# Altium PCB Onju-Home.PcbDoc (part 2 of 2)
Units mil, origin at the board's own origin, x right, y up, seen from the top; angles counter-clockwise.
Board outline 2933.07 x 2778.08 mil, 4 copper layers (Top Layer, Ground Plane, Power Plane, Bottom Layer), stack 23.712 mil thick; 83 components, 57 nets, 303 pads, 299 vias.
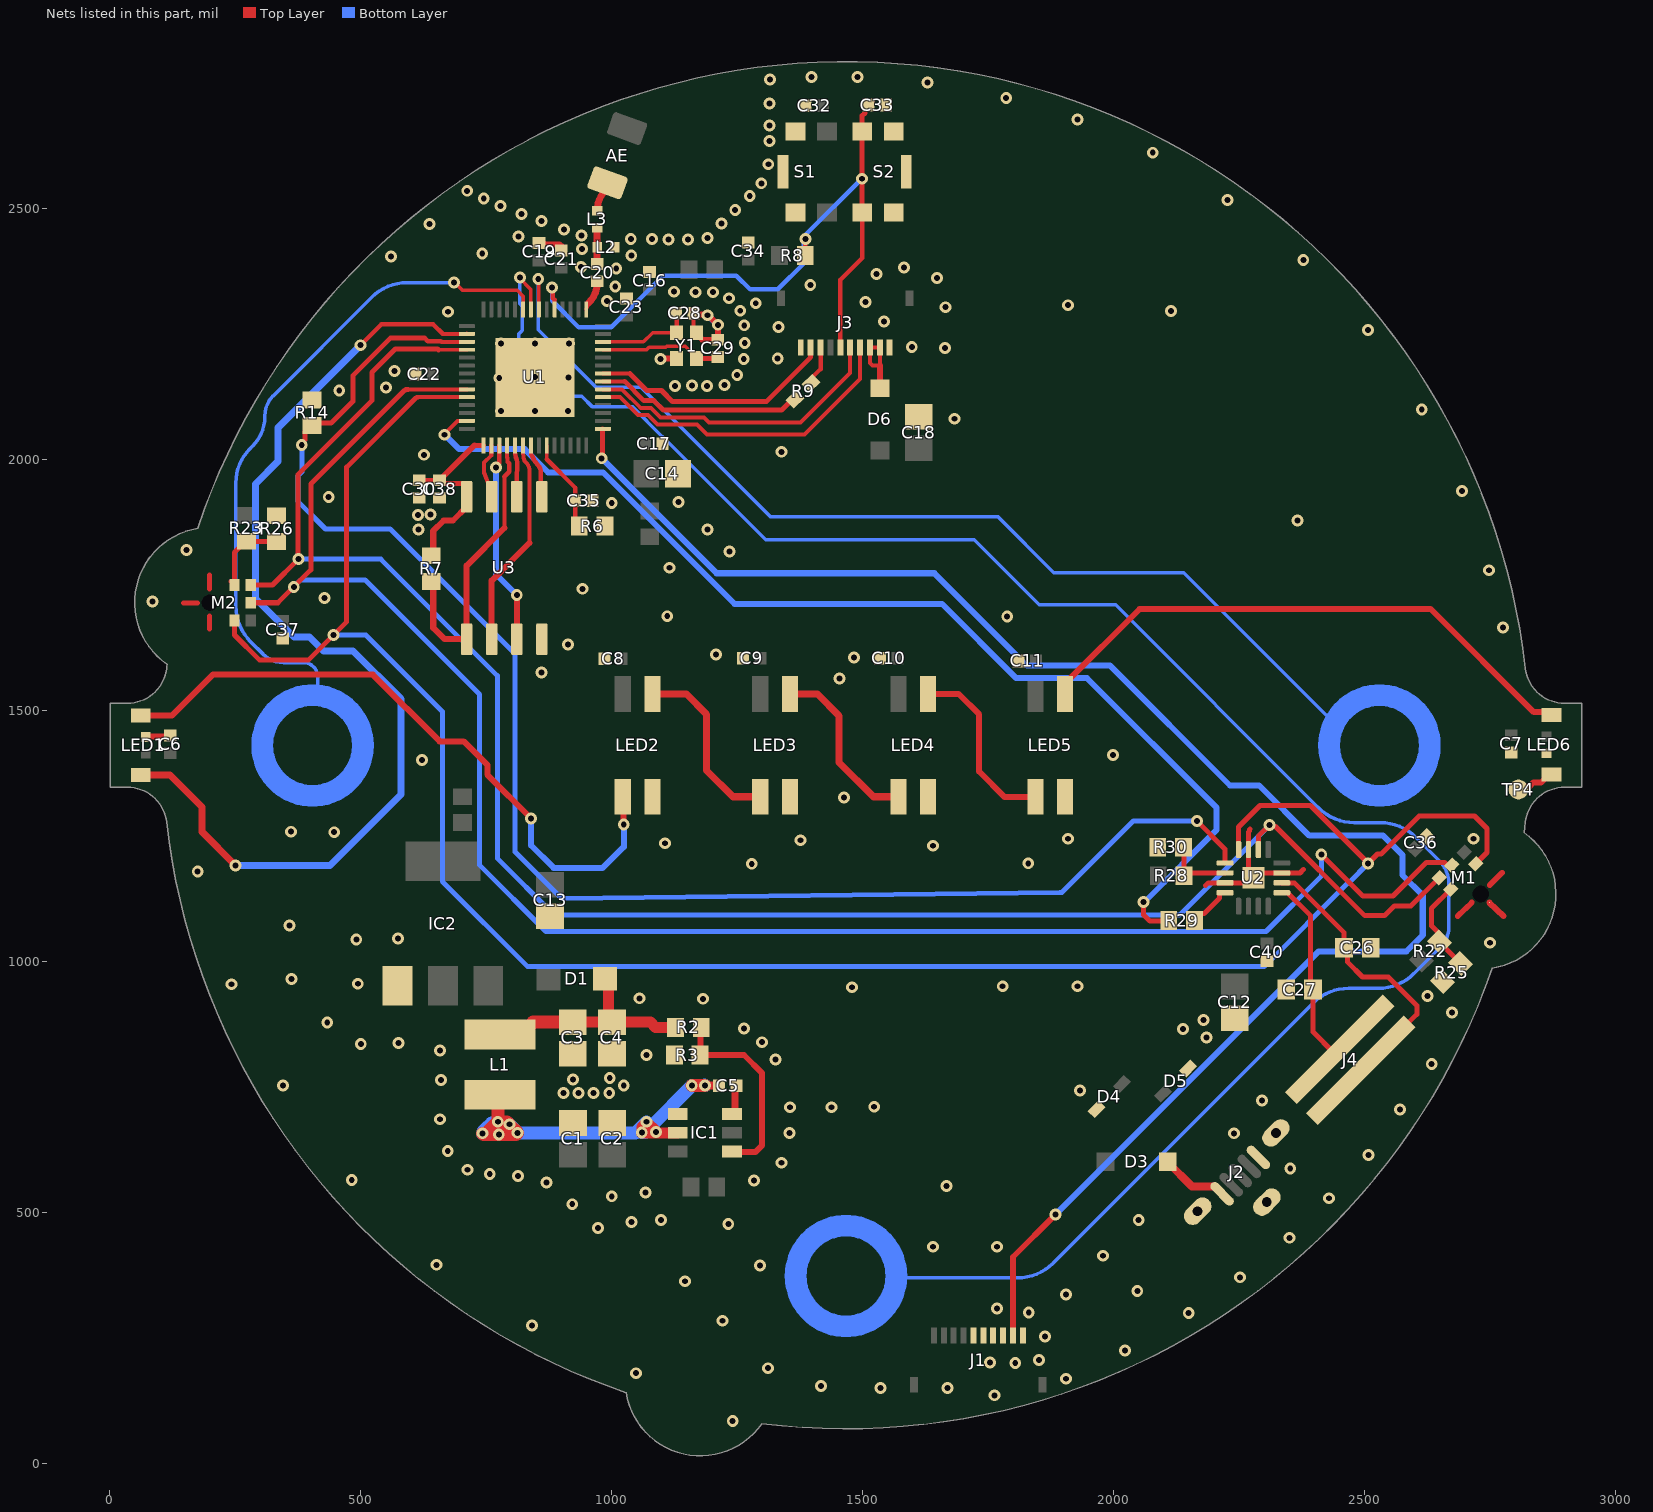
[diagram p4: the nets of this part, all layers, seen from the top]

## Via types
v1: diameter 23.62, hole 11.81, Top Layer to Bottom Layer, tented both sides, 299 vias

## Nets (pads, with @x,y where several pads share a name; then routed paths per layer and width w, separated by ;. In a path a pad name is that pad's centre, name@x,y a point inside that pad or via, vN(x,y) a via of type N, cw(c..) or ccw(c..) an arc to the next point about the centre after c; other vN are vias at no path point) (continued)
GND: C1.2 C2.2 C3.2 C4.2 C6.1 C7.1 C8.1 C9.1 C10.1 C11.1 C12.2 C13.2 C14.2 C16.1 C17.1 C18.2 C19.1 C21.1 C22.1 C23.1 C26.2 C27.1 C28.1 C29.1 C30.1 C32.1 C33.1 C34.1 C35.1 C36.1 C37.1 C38.1 C40.1 D4.1 D5.1 IC1.1 IC2.1 J1.1 J1.3 J1.4 J1.5 J1.6 J2.5 J2.S J3.1 J3.10 L2.2 LED1.1 LED2.3 LED3.3 LED4.3 LED5.3 LED6.1 M1.3 M2.3 R3.1 R6.1 R14.2 R25.1 R26.1 R30.1 S1.1 S1.4 S1.5 S2.1 S2.4 S2.5 U1.57 U2.3 U2.11 U2.15 U2.17 U3.4 Y1.2 Y1.4 | length 841.8
  Top Layer w8: C28.1@1165.05,2288.47 1162.8,2286.22 1162.8,2258.14 Y1.4@1168.71,2252.23 Y1.4@1168.71,2250.26
  Top Layer w10: 146.76,1714.17 M2.3@174.89,1714.17 ; 198.33,1662.4 198.33,1687.99 ; 198.33,1741.14 198.33,1769.68 ; 2183.57,1151 2188.73,1156.16 U2.3@2222.07,1156.16 2268.73,1156.16 U2.17@2278.57,1166 ; 2271.57,1263 2270.57,1262 2270.57,1259 2268.73,1257.16 U2.15@2268.73,1222.5 2268.73,1175.84 U2.17@2278.57,1166 ; 2378.57,1183 2371.41,1175.84 U2.11@2335.07,1175.84 2288.41,1175.84 U2.17@2278.57,1166
  Top Layer w11: 2685.54,1089.57 2714.08,1117.13 ; 2749.52,1151.57 2774.12,1176.18
  Top Layer w12: LED1.1@71.37,1448.07 119.3,1448.07 C6.1@120.63,1449.4 ; C19.1@860.13,2434.15 866.73,2428.34 895.61,2428.34 C21.1@902.21,2423.28 ; v1(1097,2200) 1097.52,2200.52 1128.82,2200.52 Y1.2@1129.34,2201.05 ; C28.1@1162.8,2290.72 1165.05,2288.47 1189.53,2288.47 v1(1191,2287) 1192,2287 1211,2268 v1(1212,2268) 1211.64,2267.64 1211.64,2238.54 C29.1@1211.28,2238.18 1180.79,2238.18 Y1.4@1168.71,2250.26 ; M1.3@2748.83,1116.81 2777.07,1089.57
  Bottom Layer w12: v1(1191,2287) 1208.27,2269.73 1209.25,2269.73 1210.99,2268 v1(1212,2268)
  other v1: 1241,84 1763,135 1535.43,149.61 1669.29,149.61 1417.32,153.54 1905,168 1048,179 1311.02,188.98 1804,199 1754,200 1851,205 2023,224 1863,252 841,274 1220.47,283.46 2149.61,299.21 1831,300 1768,308 1905,336 2047.24,342.52 1145.67,362.2 2251.97,370.08 1295.28,393.7 651,395 1979,413 1640,431 1768,431 2350.39,448.82 972.44,468.5 1232.28,476.38 1039.37,480.31 1098.43,484.25 2050,484 921.26,515.75 2429.13,527.56 1000,531.5 1066.93,539.37 1667,552 870.08,559.06 1283.46,562.99 482,564 813,572 757,576 712.62,584.38 2352,587 1338.58,598.43 2508,614 673.23,622.05 1354.33,657.48 2240,657 657.48,685.04 2570.87,704.72 1355,709 1438,709 1523,710 2295.5,722.5 904,737 934,737 964,737 995,737 1933,742 345,752 1024,752 660.06,763.37 923,764 996,767 2633.86,795.28 1326.13,803.81 1069,813 658,822 500,834.65 575,837 1299.21,838.58 2185,848 2138,865 1263.78,866.14 433.07,877.95 2179,883 2674.13,898.06 1182,925 1055,926 2625.75,930.5 1479,948 1779,950 1928,950 242,954 494,955 362.2,964.57 2750.06,1036.75 491,1043 574,1045 358.27,1070.87 175,1179 1279,1194 1830,1195 1640,1230 1106,1235 1376,1241 1909,1244 2717,1244 447,1257 361,1258 1463,1326 622,1401 1998.96,1411.08 1454,1563 860,1575 1483,1605 1208,1611 913,1631 2776,1665 1110.55,1687.42 1788,1687 85,1717 428,1724 942,1742 2748,1779 1115,1784 1235,1816 153,1819 615,1860 1191,1860 2366.14,1877.95 614,1889 639,1890 1000,1913 1133,1915 436,1925 2694,1937 626,2009 1338,2015 1683,2080.82 779,2096 847,2096 913,2096 2614,2099 457,2137 550,2143 1126,2145.87 1190,2145.81 1160,2146.87 1225,2148 775.91,2161.91 914,2163 847,2164 1250,2168 567,2176 1263,2200 1330.71,2200.79 1664,2222 1597.94,2223.63 779,2231 847,2231 915,2231 1265,2232 2507,2258 1332,2264 1264,2267 1542.19,2274.63 674,2294 2114.17,2295.28 1256,2296 1665.35,2303.15 1909.45,2307.09 1287,2311 1505.87,2313.25 990.31,2315.69 1234,2321 1167,2333 1202,2333 1124,2334 1007,2344 1395.68,2347.5 1648,2361 1527.57,2369.01 1009,2380 1582.68,2381.89 938.56,2383.09 2378,2397 560,2404 1039,2406 742,2410 941,2419 1113,2438 1152,2438 1038,2439 1080,2439 1191,2441 814,2444 940,2446 905,2458 637,2469 1219,2470 860,2475 820,2489 1246,2497 778,2505 2227,2517 745,2520 1275,2525 712,2535 1298,2550 1312,2588 2078,2611 1314,2634 1314,2665 1928,2677 1314,2709 1786,2720 1629,2751 1315,2757 1398,2762 1490,2762
GPIO0: C33.2 J3.5 R8.2 S2.2 S2.3 U1.5 | length 1424.9
  Top Layer w7.87: U1.5@886.06,2310.23 886.06,2317.7
  Top Layer w9: v1(881.18,2342.37) 882.47,2341.08 882.47,2321.29 886.06,2317.7 ; R8.2@1385.59,2406 1385.86,2406.27 v1(1385.86,2439) ; J3.5@1455.41,2222.57 1455.41,2357.41 1499.14,2401.14 S2.3@1499.14,2492.06 ; C33.2@1504.53,2698.64 C33.2@1511.84,2705.95 C33.2@1519.15,2713.26
  Top Layer w10: S2.3@1499.14,2492.06 S2.2@1499.14,2653.47 1499.14,2684.69 1504.53,2690.08 C33.2@1504.53,2698.64
  Bottom Layer w9: v1(881.18,2342.37) 881.18,2315.67 933.85,2263 999,2263 1102,2366 1248.17,2366 1275.59,2338.58 1330.71,2338.58 1383.06,2390.94 1383.06,2436.2 v1(1385.86,2439) ; v1@1381.93,2442.93 1498,2559 v1(1499,2559)
GPIO41: J3.7 U1.47 | length 651.7
  Top Layer w8: U1.47@982.49,2123.79 1016.21,2123.79 1052,2088 1071.99,2088 1090.99,2069 1170,2069 1190,2049 1383.65,2049 1393.65,2059 1494.78,2160.13 J3.7@1494.78,2222.57
GPIO42: J3.6 U1.48 | length 611.8
  Top Layer w7.87: U1.48@982.49,2139.54 1020.26,2139.54
  Top Layer w8: 1020.26,2139.54 1057.8,2102 1077.79,2102 1096.79,2083 1184,2083 1194,2073 1376.15,2073 1475.09,2171.94 J3.6@1475.09,2222.57
MUTE: J1.2 U1.43 | length 3396.3
  Top Layer w10: v1(980,2002) 981.25,2003.25 U1.43@981.25,2060.13
  Top Layer w12: J1.2@1799.47,254.28 1799.47,410.47 v1(1884,495)
  Bottom Layer w12: v1(980,2002) 1209,1773 1643,1773 1827,1589 1993,1589 2232,1350 2290,1350 2390,1250 2537,1250 2575.3,1211.7 2575.3,1171.7 2616,1131 2616,1052 2583.68,1019.68 2408.68,1019.68 v1(1884,495)
NetAE_1: AE.1 L3.1 | length 67
  Top Layer w11.5: AE.1@987.95,2536.67 AE.1@1003.16,2551.87
  Top Layer w13.75: L3.1@970.97,2495.67 cw(c1028.95,2495.67) AE.1@987.95,2536.67
NetC20_1: C20.1 L2.1 L3.2 | length 71.7
  Top Layer w11.5: L2.1@970.97,2419.29 L2.1@970.97,2427.17
  Top Layer w13.75: C20.1@970.97,2389.37 L2.1@970.97,2419.29 ; L2.1@970.97,2427.17 L3.2@970.97,2461.02
NetC20_2: C20.2 U1.1 | length 61.4
  Top Layer w7.87: U1.1@949.22,2298.79 954.29,2311.71
  Top Layer w9: C20.2@970.97,2351.98 C20.2@970.97,2354.72
  Top Layer w13.75: 954.29,2311.71 ccw(c914.02,2351.98) C20.2@970.97,2351.98
NetLED1_2: LED1.2 LED2.4 | length 1324.3
  Top Layer w12: LED1.2@53.65,1489.25 123.61,1489.25 205.22,1570.87 524.12,1570.87 656.99,1438 705,1438 752,1391 752,1371.53 v1(839.08,1284.45) ; LED2.4@1022.11,1327.64 1023.05,1326.69 1023.05,1272.95 v1(1024,1272)
  Bottom Layer w12: v1(839.08,1284.45) 839.08,1230.92 884.2,1185.8 981.8,1185.8 1024,1228 v1(1024,1272)
NetLED2_2: LED2.2 LED3.4 | length 365.4
  Top Layer w14: LED2.2@1081.16,1532.36 1148.64,1532.36 1189,1492 1189,1380 1241.36,1327.64 LED3.4@1296.11,1327.64
NetLED3_2: LED3.2 LED4.4 | length 355.2
  Top Layer w14: LED3.2@1355.16,1532.36 1409.64,1532.36 1453,1489 1453,1396 1521.36,1327.64 LED4.4@1571.11,1327.64
NetLED4_2: LED4.2 LED5.4 | length 365.9
  Top Layer w12: LED4.2@1630.16,1532.36 1691.36,1532.36 1732,1491.72 1732,1378 1783,1327 1843.47,1327 LED5.4@1844.11,1327.64
NetLED5_2: LED5.2 LED6.3 | length 1111.4
  Top Layer w12: LED5.2@1905,1555 2051.77,1701.77 2631.8,1701.77 2837.51,1496.06 2862.2,1496.06 LED6.3@2868.01,1490.25
NetLED6_2: LED6.2 TP4.1 | length 80.9
  Top Layer w12: TP4.1@2806.57,1342 2811.81,1347.24 2826.52,1347.24 2827.93,1348.65 2829.22,1348.65 2836.57,1356 2851.9,1356 2858.93,1363.03 2858.93,1363.97 2866.71,1371.75 LED6.2@2874.58,1371.75
NetM1_2: M1.2 R22.2 R25.2 | length 186.6
  Top Layer w10: M1.2@2670.74,1142.56 2633.54,1105.36 2633.54,1070.37 2649.28,1054.63 R22.2@2649.28,1038.03 2649.28,1037.67 R25.2@2691.57,995.39
NetM2_2: M2.2 R23.1 R26.2 | length 179.8
  Top Layer w10: M2.2@241.51,1756.48 243.05,1756.48 248.32,1751.2 M2.2@248.32,1749.66 ; M2.2@248.33,1749.65 248.33,1814.79 270.18,1836.63 R23.1@272.15,1836.63 324.18,1836.63 R26.2@326.04,1838.49 ; R26.2@327.03,1836.52 R26.2@338.76,1824.79
NetR28_1: R28.1 R30.2 U2.2 | length 141.7
  Top Layer w10: R30.2@2139.16,1227 2140.16,1226 R28.1@2140.16,1170 2146,1175.84 U2.2@2222.07,1175.84
NetR29_2: R29.2 U2.4 | length 91.3
  Top Layer w10: R29.2@2161.16,1081 2161.16,1082.97 2172.89,1094.7 2180.3,1094.7 2211.12,1125.52 2211.12,1136.16 2211.44,1136.47 U2.4@2222.07,1136.47
RGB_CTRL: LED1.3 U1.16 | length 2080.2
  Top Layer w7.87: 663.06,2249.94 U1.16@711.06,2249.94
  Top Layer w9: v1(499.52,2227.36) 540.85,2268.7 644.3,2268.7 663.06,2249.94 ; U1.16@711.06,2249.94 U1.16@711.23,2249.77
  Top Layer w14: LED1.3@53.65,1370.75 119.91,1370.75 183.57,1307.09 183.57,1257.87 v1(250.5,1190.94)
  Bottom Layer w14: v1(250.5,1190.94) 438.94,1190.94 580,1332 580,1522.86 484.75,1618.11 425.7,1618.11 398.14,1645.67 366.64,1645.67 289.87,1722.44 289.87,1950.79 335.15,1996.06 335.15,2062.99 v1(499.52,2227.36)
RXD0: J3.2 U1.50 | length 492.8
  Top Layer w7.87: U1.50@982.49,2171.03 1035.97,2171.03
  Top Layer w10: 1035.97,2171.03 1070,2137 1099,2137 1121,2115 1307.91,2115 1396.35,2203.44 J3.2@1396.35,2222.57
SCK: M1.4 M2.4 U1.24 U2.16 | length 4262.5
  Top Layer w7.87: 613.95,2123.79 U1.24@711.23,2123.79
  Top Layer w9: 609.76,2122.05 cw(c613.95,2117.85) 613.95,2123.79
  Top Layer w10: M2.4@248.33,1678.78 248.33,1649.8 297.74,1600.39 396.17,1600.39 v1(445.38,1649.61) 471.96,1676.18 471.96,1984.25 609.75,2122.05 ; U2.16@2249.04,1222.5 2249.04,1267.47 2291.61,1310.04 2392.52,1310.04 v1@2507.04,1195.52 ; v1(2507.04,1194.66) 2526.03,1213.65 2533.04,1213.65 2608.77,1289.37 2719,1289.37 2744,1264.37 2744,1216.72 2721.93,1194.65 M1.4@2721.92,1193.77
  Bottom Layer w10: v1(445.38,1649.61) 510.34,1649.61 662.9,1497.05 662.9,1158.46 832.37,989 2299.96,989 2468.83,1157.87 2470.26,1157.87 v1(2507.04,1194.66)
SDI: M1.6 M2.6 U1.23 | length 3663.1
  Top Layer w7.87: 594.1,2139.54 U1.23@711.23,2139.54
  Top Layer w10: M2.6@280.7,1714.21 334.79,1714.21 v1(366.46,1745.89) 400.31,1779.73 400.31,1950.99 585.15,2135.83 cw(c594.1,2126.87) 594.1,2139.54 ; v1(2413.89,1212.6) 2496.56,1129.92 2556.6,1129.92 2623.22,1196.54 2659.41,1196.54 2665.44,1190.51 2672.9,1190.51 M1.6@2673.98,1191.6
  Bottom Layer w10: v1(366.46,1745.89) 380.42,1759.84 508.37,1759.84 736.72,1531.5 736.72,1191.28 868.94,1059.06 2303.65,1059.06 2413.89,1169.29 v1(2413.89,1212.6)
SDO: R14.1 U1.17 U2.1 | length 3094.4
  Top Layer w7.87: 660.98,2234.02 U1.17@711.23,2234.02
  Top Layer w9: R14.1@402.78,2067.16 R14.1@407.54,2071.92 ; 627,2242 633.69,2235.31 659.7,2235.31 660.98,2234.02
  Top Layer w10: v1(382.39,2028.54) 382.39,2032.23 389.07,2038.91 389.07,2055.43 400.81,2067.16 R14.1@402.78,2067.16 ; R14.1@407.54,2071.92 440.53,2071.92 484,2115.39 484,2166.57 559.43,2242 627,2242 ; v1(2165.85,1279.53) 2222.07,1223.31 U2.1@2222.07,1195.53
  Bottom Layer w10: v1(382.39,2028.54) 382.39,1974.53 374.52,1966.66 374.52,1916.34 429.63,1861.22 558.57,1861.22 807.59,1612.2 807.59,1217.41 899.76,1125.24 1893.13,1137.15 1897.2,1137.2 1900.08,1140.08 2039.53,1279.53 v1(2165.85,1279.53)
SPICLK: U1.33 U3.6 | length 88.4
  Top Layer w7.87: U1.33@807.49,2015.58 U1.33@807.63,2013.21
  Top Layer w9: 808.02,2010.96 808.67,2004.19 cw(c774.38,1989.41) 810.43,1999.14 cw(c795.96,1995.2) 810.46,1999.04 cw(c774.38,1989.41) 811.67,1991.43 cw(c774.38,1989.41) 811.62,1986.67 810.54,1964.57 810.54,1925.8 U3.6@810.85,1925.49
SPICLK_P: C35.2 R6.2 U1.37 | length 187.8
  Top Layer w7.87: 870.48,2000.09 U1.37@870.48,2027.53
  Top Layer w9: 870.48,2000.09 927.67,1942.91 927.67,1918.08 C35.2@927.19,1917.61 927.19,1874.81 R6.2@935.11,1866.89
SPICS0: R7.2 U1.32 U3.1 | length 590.9
  Top Layer w7.87: U1.32@791.74,2027.53 791.74,2003.65 792.49,2002.91 792.49,1994.7
  Top Layer w8: 785.93,1863.19 785.93,1965.45
  Top Layer w9: 785.93,1965.45 795.54,1975.06 795.54,1986.34 795.46,1986.42 795.46,1991.73 792.49,1994.7
  Top Layer w12: R7.2@644.33,1756.71 644.33,1664.24 666.94,1641.63 U3.1@710.85,1641.63 710.85,1788.1 785.93,1863.19
SPID: U1.35 U3.5 | length 129
  Top Layer w7.87: U1.35@838.99,2027.53 838.99,2009.19 841.7,2006.48
  Top Layer w9: 841.7,2006.48 ccw(c885.87,2022.18) 852.72,1989.03 cw(c838.12,1974.43) 858.77,1974.43 858.77,1930.51 ccw(c865.87,1930.51) U3.5@860.85,1925.49 U3.5@860.85,1945.76
SPIHD: U1.30 U3.7 | length 110.5
  Top Layer w8: U1.30@760.25,2027.53 759.92,2027.2 759.92,2007.6 745.59,1993.27 745.59,1973.54 753.43,1953.18 U3.7@760.85,1925.49
SPIQ: U1.34 U3.2 | length 406.3
  Top Layer w7.87: U1.34@823.24,2013.4 ccw(c867.25,2013.4) 823.73,2006.86
  Top Layer w8: 823.73,2006.86 823.73,2006.01 ccw(c839.18,2006.01) 823.75,2005.23 cw(c774.38,1989.41) 824.43,2002.94 cw(c795.96,1995.2) 824.47,2002.76 cw(c774.38,1989.41) 825.28,1999.26 ccw(c839.18,2006.01) 828.26,1995.08 cw(c809.25,1976.07) 836.13,1976.07 836.13,1833.66
  Top Layer w12: U3.2@760.85,1641.63 760.85,1758.38 836.13,1833.66
SPIWP: U1.31 U3.3 | length 407.6
  Top Layer w9: v1(769.4,1983.41) 769.4,1985.23 776,1991.83 U1.31@776,2027.53
  Top Layer w12: U3.3@810.85,1641.63 v1(810.85,1729.66) cw(c813.16,1729.66) v1@811.52,1731.3
  Bottom Layer w12: v1(769.4,1983.41) 769.4,1771.11 v1(810.85,1729.66)
SPK_EN: R29.1 U1.27 | length 2233.4
  Top Layer w8: v1(667,2049) 667,2050.35 692.87,2076.21 710.9,2076.21 U1.27@711.23,2076.54
  Top Layer w10: v1(2059.56,1118.11) 2059.56,1092.52 2072.07,1080 2108.98,1080 R29.1@2109.98,1081
  Bottom Layer w12: v1(667,2049) 695.78,2020.22 826.78,2020.22 873,1974 982.54,1974 1244.54,1712 1658,1712 1806,1564 1947,1564 2205.22,1305.78 2205.22,1261.61 2065.57,1121.95 2065.48,1121.95 2061.63,1118.11 v1(2059.56,1118.11)
SPK_N: C26.1 J4.1 U2.10 | length 576
  Top Layer w10: U2.10@2335.07,1156.16 2360.09,1156.16 2459.33,1056.92 C26.1@2459.33,1026.97 2466.43,1019.87 2466.43,998.14 2496.06,968.5 2547.24,968.5 2604.11,911.64 2604.11,893.96 J4.1@2492.57,782.43
SPK_P: C27.2 J4.2 U2.9 | length 369.2
  Top Layer w10: U2.9@2335.07,1136.47 2346.68,1136.47 2392.57,1090.58 2392.57,947.97 C27.2@2397.13,943.41 2397.13,859.28 J4.2@2439.23,817.18
SW: C5.2 IC1.2 L1.1 | length 1114.2
  Top Layer w16: v1(1185.57,752) C5.2@1211.25,752
  Top Layer w22: IC1.2@1131.44,658 v1@1088.57,658 ; v1@1088.57,658 1059.57,658 v1(1059.88,658.31) 1059.88,669.87 1069.57,679.56 v1(1069.57,680) 1088.26,661.31 v1(1088.26,659.81) 1088.26,658.31 v1@1088.57,658
  Top Layer w26: L1.1@777.57,733.96 773.66,730.05 773.66,680.66 v1(773,680) ; v1(1159.57,752) v1(1185.57,752) ; v1(773,680) 791,680 v1(796,675) 796,674.57 v1(812.57,658) 809.57,655 v1(775,655) 744.57,655 v1(742.57,657) 750,657 v1(773,680)
  Bottom Layer w22: v1(1059.88,658.31) 1066.22,658.65 1070.69,658.88 v1(1088.26,659.81) 1078.22,670.65 1075.91,673.15 v1(1069.57,680) v1(1059.88,658.31)
  Bottom Layer w26: v1(775,655) v1@773,657 ; v1(1059.88,658.31) 1065.88,658.31 1066.22,658.65 1078.22,670.65 v1(1159.57,752) v1(1185.57,752) v1@1184.57,753 ; v1(1069.57,680) 1047.57,658 v1(812.57,658) ; 750,667 760.51,677.51 793.49,677.51 v1(796,675) ; 750,667 744,661 744,658.43 v1(742.57,657) v1@773,657 ; 750,667 763,667 v1@773,657 ; v1(796,675) 779.53,658.53 779.53,657.53 796.25,657.77 800.29,657.82 v1(812.57,658) ; v1(796,675) 812.57,658.43 v1(812.57,658)
TOUCH_C: U1.8 | length 4650.6
  Top Layer w7: v1(817,2362) 817,2360.47 838.99,2338.49 U1.8@838.99,2298.79
  Bottom Layer w7: v1(817,2362) 817,2309.63 822,2304.63 822,2256.75 815,2249.75 815,2153 842,2126 940,2126 961.69,2104.31 1041.69,2104.31 1101,2045 1102,2045 1307,1840 1722,1840 1852,1710 2004,1710 2402,1312 2408.71,1305.29 ccw(c2479.42,1376) 2479.42,1276 2531.58,1276 cw(c2531.58,1176) 2602.29,1246.71 2648.91,1200.09 cw(c2602.82,1154) 2668,1154 2668,1067.63 cw(c2613.37,1067.63) 2652,1029 2598.29,975.29 cw(c2527.58,1046) 2527.58,946 2468.42,946 ccw(c2468.42,846) 2397.71,916.71 1879.29,398.29 cw(c1808.58,469) 1808.58,369 1579.43,369
  Bottom Layer w43.31: 1567.18,372.77 ccw(c1466.79,372.77) 1567.18,372.77
TOUCH_L: U1.7 | length 2679.6
  Top Layer w7: v1(853.6,2359.13) 854.91,2357.82 U1.7@854.91,2310.23
  Bottom Layer w7: v1(853.6,2359.13) 853.6,2258.4 968,2144 1058,2144 1316,1886 1769,1886 1881,1774 2140,1774 2431.06,1482.94
  Bottom Layer w43.31: 2630.17,1429.86 ccw(c2529.78,1429.86) 2630.17,1429.86
TOUCH_R: U1.9 | length 1969.3
  Top Layer w7: v1(686,2352) 687.6,2352 702.58,2337.03 811.45,2337.03 823.24,2325.23 U1.9@823.24,2298.79
  Bottom Layer w7: 413.89,1535.43 413.89,1566.93 ccw(c385.81,1566.93) 385.81,1595 346,1595 cw(c346,1652.94) 305.03,1611.97 280.29,1636.71 cw(c351,1707.42) 251,1707.42 251,1953 cw(c347.57,1953) 279.28,2021.28 284,2026 ccw(c223.64,2086.36) 309,2086.36 309,2087 cw(c364.53,2087) 325.26,2126.26 521.71,2322.71 cw(c592.42,2252) 592.42,2352 v1(686,2352)
  Bottom Layer w43.31: 504.19,1429.86 ccw(c403.79,1429.86) 504.19,1429.86
TXD0: J3.3 R9.1 | length 83.5
  Top Layer w9: R9.1@1387.24,2151.02 1416.04,2179.82 J3.3@1416.04,2222.57
TXD0_: R9.2 U1.49 | length 418
  Top Layer w7.87: U1.49@982.49,2155.28 1025.33,2155.28
  Top Layer w10: 1025.33,2155.28 1025.73,2155.28 1064.01,2117 1084,2117 1103,2098 1338.16,2098 R9.2@1365.47,2125.32
VBST: C5.1 IC1.6 | length 60
  Top Layer w14: IC1.6@1239.7,695.4 1241.08,695.4 1245.89,700.21 C5.1@1245.89,752
VBUART: D6.1 J3.8 J3.9 | length 156.5
  Top Layer w8: 1514.46,2191.94 J3.8@1514.46,2222.57 J3.9@1534.15,2222.57 1534.15,2187.25 1519.15,2187.25 1514.46,2191.94
  Top Layer w12: D6.1@1534.15,2138.03 1534.15,2187.25
VBUSB: D3.1 J2.1 | length 135.2
  Top Layer w16: D3.1@2108.01,600.43 2108.01,599.45 2156.22,551.23 2201.57,551.23 J2.1@2216.19,536.62
VDD_SPI: C30.2 C38.2 R7.1 U1.29 U3.8 | length 393.4
  Top Layer w8: U3.8@710.85,1925.49 710.85,1945.76 U3.8@710.85,1946.28
  Top Layer w10: C30.2@616.39,1958.15 C38.2@656.81,1958.15 ; C38.2@664.41,1965.75 664.41,1964.96 657.59,1958.15 C38.2@656.81,1958.15 ; U3.8@710.85,1905.21 U3.8@710.85,1925.49 ; U3.8@710.85,1945.76 704.43,1952.18 662.78,1952.18 C38.2@656.81,1958.15 ; 726.18,2027.53 U1.29@744.5,2027.53
  Top Layer w12: R7.1@644.33,1807.89 644.33,1857.42 665.02,1878.11 683.74,1878.11 U3.8@710.85,1905.21 ; C38.2@664.41,1965.75 726.18,2027.53
VFB: IC1.4 R2.1 R3.2 | length 403.6
  Top Layer w12: R2.1@1178.16,868 1177.16,867 1177.16,814 R3.2@1176.16,813 1263.57,813 1299.57,777 1299.57,633 1286.57,620 1240.3,620 IC1.4@1239.7,620.6
VOUT: C3.1 C4.1 D1.1 L1.2 R2.2 | length 455.9
  Top Layer w22: C3.1@922.42,878.5 C4.1@1000.42,878.5 ; D1.1@986.68,964.83 993.55,957.96 993.55,885.37 C4.1@1000.42,878.5 ; R2.2@1126.98,868 1087.57,868 1077.07,878.5 C4.1@1000.42,878.5
  Top Layer w24: L1.2@777.57,854.04 L1.2@818.91,854.04
  Top Layer w26: L1.2@818.91,854.04 843.37,878.5 C3.1@922.42,878.5
WS: M1.1 M2.1 U1.18 U2.14 | length 3777.2
  Top Layer w7.87: 654.81,2218.28 U1.18@711.23,2218.28
  Top Layer w10: M2.1@280.7,1749.65 323.96,1749.65 v1(375.5,1801.18) 374.52,1802.17 374.52,1969.49 522,2116.97 522,2173.07 568.74,2219.81 653.28,2219.81 654.81,2218.28 ; U2.14@2288.41,1222.5 2288.41,1248.84 v1(2310.57,1271) 2313.18,1268.39 2322.66,1268.39 2500.5,1090.55 2539.87,1090.55 2559.55,1110.24 2592.65,1110.24 M1.1@2648.93,1166.54
  Bottom Layer w10: v1(375.5,1801.18) 539.87,1801.18 772.15,1568.9 772.15,1204.85 884.89,1092.11 2131.68,1092.11 v1(2310.57,1271)
XTAL_N: C29.2 U1.53 Y1.3 | length 247.1
  Top Layer w7: U1.53@982.49,2218.28 1069.31,2218.28 1074.34,2223.31 1107.76,2223.31 1109.76,2225.31 1146.42,2225.31 1160.47,2211.26 Y1.3@1160.47,2209.29
  Top Layer w8: Y1.3@1159.92,2209.84 Y1.3@1168.71,2201.05
  Top Layer w10: Y1.3@1168.71,2201.05 1210.69,2201.05 ccw(c1210.69,2206.13) C29.2@1214.28,2202.54
XTAL_P: C28.2 U1.54 Y1.1 | length 190.7
  Top Layer w7: U1.54@982.49,2234.02 1063.16,2234.02 1081.37,2252.23 Y1.1@1129.34,2252.23
  Top Layer w9: Y1.1@1129.34,2252.23 C28.2@1129.34,2288.52
pads on no net: AE.2 J1.S1 J1.S2 J2.4 J3.S1 J3.S2 M1. M2. U1.6 U1.10 U1.11 U1.12 U1.13 U1.14 U1.15 U1.19 U1.21 U1.22 U1.28 U1.36 U1.38 U1.39 U1.40 U1.41 U1.42 U1.44 U1.45 U1.51 U1.52 U2.5 U2.6 U2.12 U2.13

## Polygon pours and split planes (outlines as drawn)
GND on Bottom Layer "GND_L04_P000" (solid, pour order 0): 2817.85,1256.37 ccw(c1467.72,1430.12) 2820.31,1276.71 cw(c2898.55,1267.83) 2898.55,1346.57 2933.32,1346.57 2933.32,1513.9 2898.55,1513.9 cw(c2898.55,1592.64) 2820.31,1583.76 ccw(c1466.79,1430.24) 174.89,1862.23 175.52,1862.34 ccw(c199.06,1714.59) 114.15,1591.42 ccw(c1453.66,1431.76) 113.26,1583.76 cw(c35.02,1592.64) 35.02,1513.9 0.25,1513.9 0.25,1346.57 35.02,1346.57 cw(c35.02,1267.83) 113.26,1276.71 ccw(c1466.79,1430.24) 1028.73,140.39 ccw(c1176.49,163.86) 1299.26,78.37 ccw(c1466.79,1430.24) 2754.57,986.14 ccw(c2731.79,1134)
GND on Top Layer "GND_L01_P001" (solid, pour order 1): 2817.85,1256.37 ccw(c1467.72,1430.12) 2820.31,1276.71 cw(c2898.55,1267.83) 2898.55,1346.57 2933.32,1346.57 2933.32,1513.9 2898.55,1513.9 cw(c2898.55,1592.64) 2820.31,1583.76 ccw(c1466.79,1430.24) 174.89,1862.23 175.52,1862.34 ccw(c199.06,1714.59) 114.15,1591.42 ccw(c1453.66,1431.76) 113.26,1583.76 cw(c35.02,1592.64) 35.02,1513.9 0.25,1513.9 0.25,1346.57 35.02,1346.57 cw(c35.02,1267.83) 113.26,1276.71 ccw(c1466.79,1430.24) 1028.73,140.39 ccw(c1176.49,163.86) 1299.26,78.37 ccw(c1466.79,1430.24) 2754.57,986.14 ccw(c2731.79,1134)
3V3 on Power Plane (split plane): 1596.15,1843.15 1598.45,1841.39 1601.13,1840.28 1604,1839.91 1765.4,1839.91 1850.15,1755.15 1852.45,1753.39 1853.24,1753.07 1855.13,1752.28 1858,1751.91 1970.4,1751.91 2085.91,1636.4 2085.91,1321.6 1928.4,1164.09 803,1164.09 800.13,1163.72 798.24,1162.93 797.45,1162.61 795.15,1160.85 690.15,1055.85 688.39,1053.55 688.07,1052.76 687.28,1050.87 686.91,1048 686.91,889.59 501.1,889.59 409.09,981.6 409.09,1337.3 410.97,1337.3 411.35,1337.34 414.89,1337.69 428.96,1340.49 430.97,1341.1 432.73,1341.63 445.98,1347.12 447.84,1348.12 449.46,1348.98 461.39,1356.95 464.43,1359.45 474.58,1369.6 477.08,1372.64 485.05,1384.57 485.95,1386.25 486.91,1388.04 492.4,1401.3 493.54,1405.07 496.34,1419.14 496.72,1423.06 496.72,1430.24 496.72,1437.41 496.34,1441.33 493.54,1455.4 492.4,1459.17 486.91,1472.43 485.95,1474.22 485.05,1475.9 479.66,1483.97 528.6,1532.91 774,1532.91 776.87,1533.28 778.76,1534.07 779.55,1534.39 781.85,1536.15 902.85,1657.15 904.61,1659.45 905.07,1660.56 905.72,1662.13 906.09,1665 906.09,1749.4 1019.6,1862.91 1142,1862.91 1144.87,1863.28 1146.76,1864.07 1147.55,1864.39 1149.85,1866.15 1249.6,1965.91 1473.4,1965.91
SW on Power Plane (split plane): 1226.91,768.4 1226.91,730.6 1176.15,679.85 1174.39,677.55 1174.07,676.76 1173.28,674.87 1172.91,672 1172.91,627.09 740.6,627.09 709.09,658.6 709.09,723.91 1017,723.91 1019.87,724.28 1021.76,725.07 1022.55,725.39 1024.85,727.15 1094.6,796.91 1198.4,796.91
5V on Power Plane (split plane): 2180.15,2137.15 2310.91,2006.4 2310.91,1698 2311.28,1695.13 2312.07,1693.24 2312.39,1692.45 2314.15,1690.15 2489.91,1514.4 2489.91,1514.31 2487.59,1513.35 2485.79,1512.39 2484.11,1511.49 2472.18,1503.52 2469.14,1501.02 2458.99,1490.88 2456.49,1487.83 2448.52,1475.9 2447.66,1474.28 2446.67,1472.43 2441.17,1459.17 2440.64,1457.42 2440.03,1455.4 2437.23,1441.33 2436.88,1437.8 2436.85,1437.41 2436.85,1430.24 2436.85,1423.06 2436.88,1422.68 2437.23,1419.14 2440.03,1405.07 2440.64,1403.05 2441.17,1401.3 2446.67,1388.04 2447.66,1386.19 2448.52,1384.57 2456.49,1372.64 2458.99,1369.6 2469.14,1359.45 2472.18,1356.95 2484.11,1348.98 2485.79,1348.08 2487.59,1347.12 2489.91,1346.16 2489.91,1160.6 2304.15,974.85 2302.39,972.55 2302.07,971.76 2301.28,969.87 2300.91,967 2300.91,799.6 2008.4,507.09 1797.6,507.09 1547.35,757.35 1545.05,759.11 1544.26,759.43 1542.37,760.22 1539.5,760.59 1249.09,760.59 1249.09,773 1248.72,775.87 1247.61,778.55 1245.85,780.85 1210.85,815.85 1208.55,817.61 1207.76,817.93 1205.87,818.72 1203,819.09 1090,819.09 1087.13,818.72 1085.24,817.93 1084.45,817.61 1082.15,815.85 1012.4,746.09 709.09,746.09 709.09,1043.4 807.6,1141.91 1933,1141.91 1935.87,1142.28 1937.76,1143.07 1938.55,1143.39 1940.85,1145.15 2104.85,1309.15 2106.61,1311.45 2106.93,1312.24 2107.72,1314.13 2108.09,1317 2108.09,1641 2107.76,1643.54 2107.72,1643.87 2107.39,1644.66 2106.61,1646.55 2105.61,1647.85 2104.85,1648.85 2104.84,1648.85 1982.85,1770.85 1980.55,1772.61 1979.76,1772.93 1977.87,1773.72 1975,1774.09 1862.6,1774.09 1777.85,1858.85 1775.55,1860.61 1774.76,1860.93 1772.87,1861.72 1770,1862.09 1608.6,1862.09 1489.09,1981.6 1489.09,2123.4 1536.6,2170.91 1852,2170.91 1854.87,2171.28 1856.76,2172.07 1857.55,2172.39 1859.85,2174.15 1924.6,2238.91 2078.4,2238.91
3V3_ESP32 on Power Plane (split plane): 725.71,2543.29 962.67,2450.79 1178.65,2450.79 1235.59,2507.72 1520.91,2222.4 1520.91,2186.6 1470.15,2135.85 1468.39,2133.55 1468.07,2132.76 1467.28,2130.87 1466.91,2128 1466.91,1988.09 1245,1988.09 1242.13,1987.72 1240.24,1986.93 1239.45,1986.61 1237.15,1984.85 1137.4,1885.09 1015,1885.09 1012.13,1884.72 1010.56,1884.07 1009.45,1883.61 1007.15,1881.85 895,1769.69 765.85,1898.85 763.55,1900.61 762.76,1900.93 760.87,1901.72 758,1902.09 612.6,1902.09 346.06,2168.63 365.51,2198.14 406.95,2254.38 451.25,2308.39 498.3,2360.03 547.97,2409.14 600.13,2455.61 654.64,2499.3 711.35,2540.09 722.03,2546.97
GND on Power Plane (split plane): 628 vertices, not listed, extent 20.35,33.99 2913.22,2772.37
GND on Ground Plane (split plane): 436 vertices, not listed, extent 20.35,33.99 2913.22,2772.37

## Keep-outs
Keep-Out Layer:
  circle w0.5: c403.79,1430.24 r72.83
  circle w0.5: c2529.78,1430.24 r72.83
  circle w0.5: c1961.41,1980.85 r96.46
  circle w0.5: c1466.79,373.15 r66.93
  lines w0.5: 174.89,1862.23 cw(c1466.79,1430.24) 2820.31,1583.76 ccw(c2898.55,1592.64) 2898.55,1513.9 2933.32,1513.9 2933.32,1346.57 2898.55,1346.57 ccw(c2898.55,1267.83) 2820.31,1276.71 cw(c1466.79,1430.24) 2817.85,1256.37 cw(c2731.79,1134) 2754.57,986.14 cw(c1466.79,1430.24) 1299.26,78.37 cw(c1176.49,163.86) 1028.73,140.39 cw(c1466.79,1430.24) 113.26,1276.71 ccw(c35.02,1267.83) 35.02,1346.57 0.25,1346.57 0.25,1513.9 35.02,1513.9 ccw(c35.02,1592.64) 113.26,1583.76 cw(c1466.79,1430.24) 114.15,1591.42 cw(c199.06,1714.59) 175.52,1862.34

## Other copper
Top Layer:
  pour cut-out: 2407.73,1429.86 cw(c2529.78,1429.86) 2529.78,1551.91 cw(c2529.78,1429.86) 2651.82,1429.86 cw(c2529.78,1429.86) 2529.78,1307.81 cw(c2529.78,1429.86)
  pour cut-out: 525.84,1429.86 cw(c403.79,1429.86) 403.79,1307.81 cw(c403.79,1429.86) 281.75,1429.86 cw(c403.79,1429.86) 403.79,1551.91 cw(c403.79,1429.86)
  pour cut-out: 1588.83,372.77 cw(c1466.79,372.77) 1466.79,250.73 cw(c1466.79,372.77) 1344.74,372.77 cw(c1466.79,372.77) 1466.79,494.82 cw(c1466.79,372.77)
  pour cut-out: 1210,2318 1245,2283 1245,2191 1216,2162 1098,2162 1041,2219 1041,2256 1103,2318
  pour cut-out: 1178.65,2450.79 1299.26,2571.4 1299.26,2718.05 1299.26,2801.56 989.67,2743.11 677.71,2591.29 725.71,2543.29 962.67,2450.79
Bottom Layer:
  pour cut-out: 1588.83,372.77 cw(c1466.79,372.77) 1466.79,250.73 cw(c1466.79,372.77) 1344.74,372.77 cw(c1466.79,372.77) 1466.79,494.82 cw(c1466.79,372.77)
  pour cut-out: 525.84,1429.86 cw(c403.79,1429.86) 403.79,1307.81 cw(c403.79,1429.86) 281.75,1429.86 cw(c403.79,1429.86) 403.79,1551.91 cw(c403.79,1429.86)
  pour cut-out: 2407.73,1429.86 cw(c2529.78,1429.86) 2529.78,1551.91 cw(c2529.78,1429.86) 2651.82,1429.86 cw(c2529.78,1429.86) 2529.78,1307.81 cw(c2529.78,1429.86)
  pour cut-out: 1210.5,2318.5 1245.5,2283.5 1245.5,2191.5 1216.5,2162.5 1079.5,2162.5 1041.5,2200.5 1041.5,2256.5 1103.5,2318.5
  pour cut-out: 1588.67,372.77 1344.74,372.77 1344.74,648.59 1588.67,648.59
  pour cut-out: 403.79,1307.81 -61.43,1212.81 -61.43,1647 403.79,1551.91
  pour cut-out: 2529.78,1551.91 2995,1646.91 2995,1212.72 2529.78,1307.81
  pour cut-out: 1178,2450 1299.26,2571.26 1299.27,2800.01 990.98,2741.81 678.49,2589.73 725.54,2542.68 962.94,2450
Ground Plane (plane layer: these items are gaps in the copper):
  pour cut-out: 1178.65,2450.79 1299.26,2571.4 1299.26,2718.05 1299.26,2801.56 989.67,2743.11 677.71,2591.29 725.71,2543.29 962.67,2450.79
  lines w16: 1067,2160 1216,2160 1245,2189 1245,2281 1212,2314 1103,2314 1085,2296
  lines w22: 947,2265 1037.15,2265 1059.56,2287.4 ; 979,2203 1024,2203 1067,2160
Power Plane (plane layer: these items are gaps in the copper):
  pour cut-out: 1178.65,2450.79 1299.26,2571.4 1299.26,2718.05 1299.26,2801.56 989.67,2743.11 677.71,2591.29 725.71,2543.29 962.67,2450.79
  lines w22: 322,2177 608,1891 758,1891 895,1754 ; 398,1355 398,977 496.5,878.5 697,878.5 ; 462,1475 462,1482 524,1544 774,1544 895,1665 895,1754 ; 769,735 698,735 ; 854,616 1184,616 ; 944.88,616 801,616 736,616 698,654 698,735 ; 1026,2733 1532,2227 1532,2182 ; 1184,619 1184,672 1238,726 1238,773 1203,808 1090,808 1017,735 698,735 ; 1238,749.5 1539.5,749.5 1793,496 2013,496 2312,795 2312,967 2501,1156 2501,1519 2322,1698 2322,2011 2188,2145 2083,2250 1920,2250 1852,2182 1532,2182 ; 698,735 698,1048 803,1153 1933,1153 2097,1317 2097,1641 1975,1763 1858,1763 1770,1851 1604,1851 1478,1977 ; 895,1754 1015,1874 1142,1874 1245,1977 1478,1977 ; 1478,1977 1478,2128 1532,2182

## Silkscreen, mask and mechanical layers (free items; w line width, h text height)
Top Overlay:
  circle w10: c946,2336 r5
  lines w10: 2362.2,740.16 2488.19,870.08 2551.18,807.09 2425.2,677.17 2362.2,740.16
  text "RST" at 1308.96,2541.43 h30 r90
  text "BOOT" at 1663.29,2525.69 h30 r90
  text "onju" at 2289.58,2267.03 h100
  text "DEBUG" at 1631.98,2261.91 h30
  text "home" at 2271.66,2195.79 h100
  text "@justLV" at 2288,2131.95 h60
  text "CC BY-NC 4.0" at 2200.79,2011.81 h60
  text "V3" at 2424,1796.78 h70
  text "8/5/23" at 2397.64,1729.03 h59.06
  text "LED4" at 1682,1505 h30 r270
  text "LED5" at 1955,1505 h30 r270
  text "LED2" at 1133,1503 h30 r270
  text "LED3" at 1406,1503 h30 r270
  text "14V" at 1627,299 h30
Top Solder:
  region: 1588.83,372.77 cw(c1466.79,372.77) 1466.79,250.73 cw(c1466.79,372.77) 1344.74,372.77 cw(c1466.79,372.77) 1466.79,494.82 cw(c1466.79,372.77)
  region: 525.84,1429.86 cw(c403.79,1429.86) 403.79,1307.81 cw(c403.79,1429.86) 281.75,1429.86 cw(c403.79,1429.86) 403.79,1551.91 cw(c403.79,1429.86)
  region: 2407.73,1429.86 cw(c2529.78,1429.86) 2529.78,1551.91 cw(c2529.78,1429.86) 2651.82,1429.86 cw(c2529.78,1429.86) 2529.78,1307.81 cw(c2529.78,1429.86)
Bottom Solder:
  region: 2407.73,1429.86 cw(c2529.78,1429.86) 2529.78,1551.91 cw(c2529.78,1429.86) 2651.82,1429.86 cw(c2529.78,1429.86) 2529.78,1307.81 cw(c2529.78,1429.86)
  region: 525.84,1429.86 cw(c403.79,1429.86) 403.79,1307.81 cw(c403.79,1429.86) 281.75,1429.86 cw(c403.79,1429.86) 403.79,1551.91 cw(c403.79,1429.86)
  region: 1588.83,372.77 cw(c1466.79,372.77) 1466.79,250.73 cw(c1466.79,372.77) 1344.74,372.77 cw(c1466.79,372.77) 1466.79,494.82 cw(c1466.79,372.77)
  region: 403.79,1307.81 -61.43,1212.81 -61.43,1647 403.79,1551.91
  region: 1588.67,372.77 1344.74,372.77 1344.74,648.59 1588.67,648.59
  region: 2529.78,1551.91 2995,1646.91 2995,1212.72 2529.78,1307.81
  text "onju" at 2435.98,2046.03 h100
  text "home" at 2453.9,1974.79 h100
  text "@justLV" at 2447,1910.95 h60
  text "CC BY-NC 4.0" at 2547.24,1803.15 h60
Mechanical 2:
  circle w0.5: c403.79,1429.86 r68.9
  circle w0.5: c1954.58,1988.19 r82.68
  circle w0.5: c2529.78,1429.86 r68.9
  circle w0.5: c1466.79,372.77 r62.99
  lines w0.5: 59.87,1346.2 0.25,1346.2 0.25,1513.52 59.87,1513.52 ; 103.63,1302.44 ccw(c1466.79,1429.86) 1002.43,141.92 ccw(c1164.78,173.28) 1295.85,72.47 ccw(c1466.79,1429.86) 2757.12,975.14 ccw(c2725.64,1137.47) 2825.44,1269.31 ccw(c1466.79,1429.86) 2828.85,1301.36 ; 104.72,1558.38 cw(c1466.79,1429.86) 110.74,1611.16 cw(c212.55,1741.46) 183.58,1904.26 ; 183.57,1904.3 cw(c1466.79,1429.86) 222.25,1998.06 ; 1354.37,2793.34 cw(c1466.79,1429.86) 2828.85,1558.36 ; 2873.69,1346.2 2933.32,1346.2 2933.32,1388.03 2933.32,1471.69 2933.32,1513.52 2873.69,1513.52
  lines w0.51: 59.87,1346.2 103.63,1302.44 ; 59.87,1513.52 104.72,1558.38 ; 222.25,1998.06 cw(c231.76,1988.55) 231.76,2002 241.57,2002 486.75,2002 491.02,2002 ccw(c491.02,2122.71) 576.38,2037.36 610.41,2071.39 1108.67,2420.27 1245.07,2515.78 1264.09,2534.8 ccw(c1178.73,2620.16) 1299.44,2620.16 1299.44,2748.87 cw(c1343.91,2748.87) 1343.91,2793.34 1354.37,2793.34 ; 2828.85,1301.36 2873.69,1346.2 ; 2828.85,1558.36 2873.69,1513.52

## Text inside footprints (layer, text, board x,y; h text height)
LED2: Mechanical 13 "out" at 1139.3,1506.38 h31.5 r90; Mechanical 13 "in" at 990.64,1291.66 h31.5 r90
LED3: Mechanical 13 "in" at 1264.64,1291.66 h31.5 r90; Mechanical 13 "out" at 1413.3,1506.38 h31.5 r90
LED4: Mechanical 13 "out" at 1688.3,1506.38 h31.5 r90; Mechanical 13 "in" at 1539.64,1291.66 h31.5 r90
LED5: Mechanical 13 "in" at 1812.64,1291.66 h31.5 r90; Mechanical 13 "out" at 1961.3,1506.38 h31.5 r90